# Altium PCB PCB.pcbdoc (part 3 of 6)
Units mil, origin at the board's own origin, x right, y up, seen from the top; angles counter-clockwise.
Board outline 12030 x 6651.89 mil, 2 copper layers (Top Layer, Bottom Layer); 4 components, 257 nets, 480 pads, 2 vias.
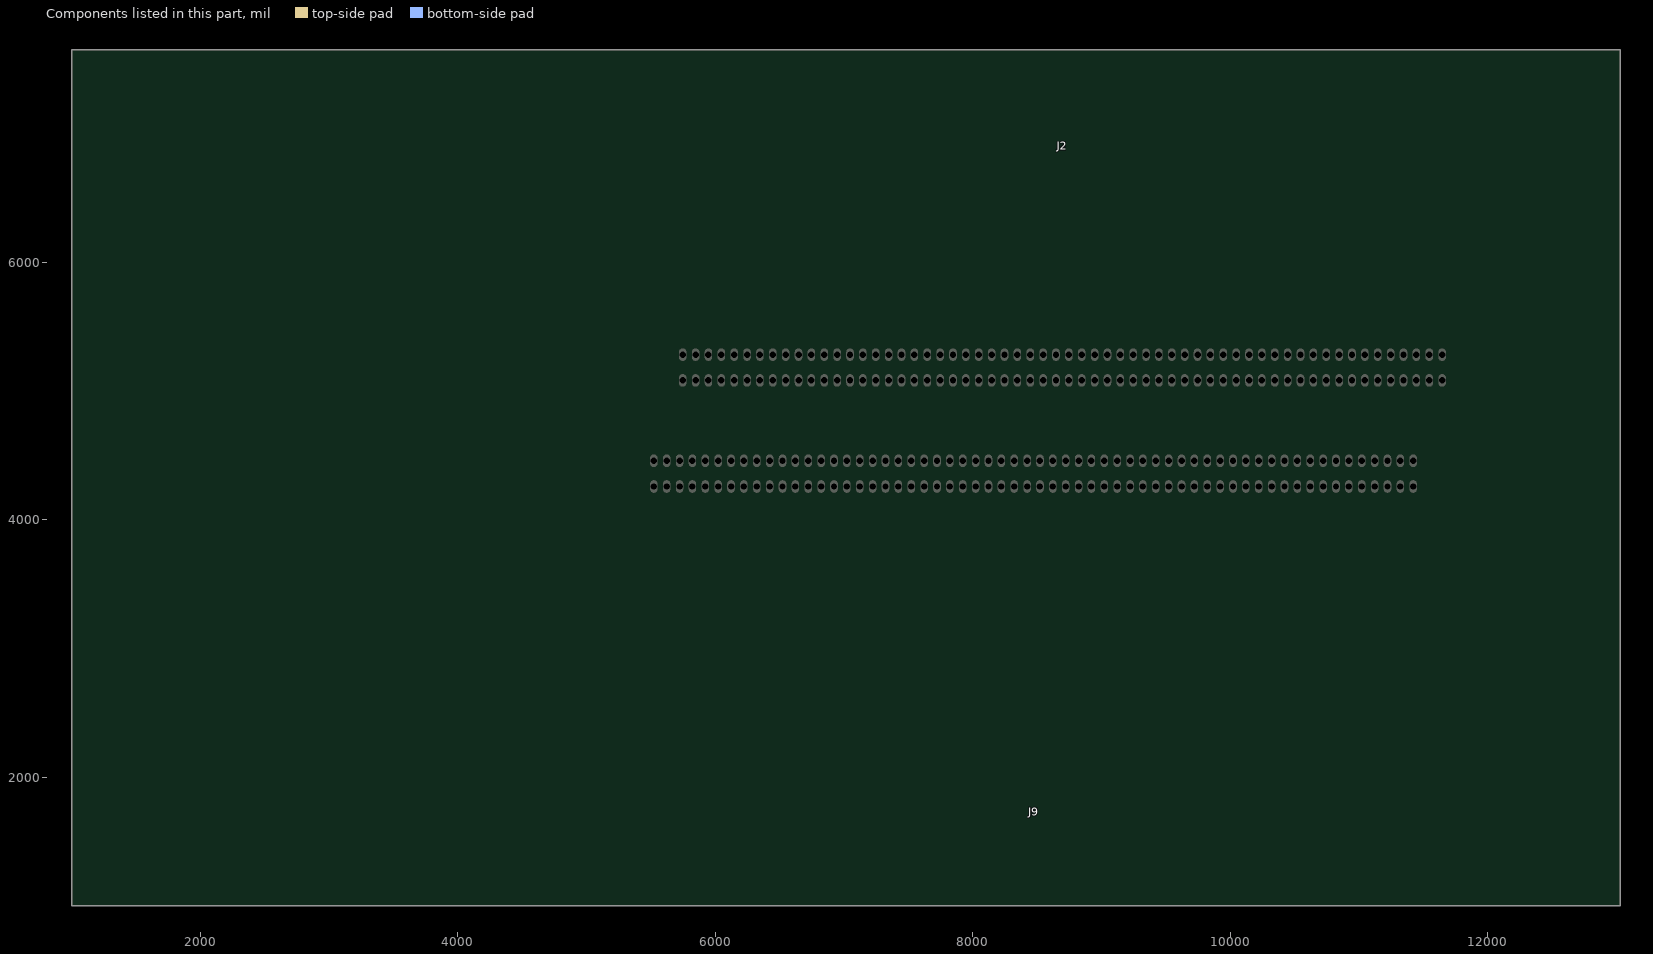
[diagram p3: the components of this part, seen from the top]

## Footprints (in the part's own frame and the unit in brackets; to place one, negate y for a bottom-side part, rotate by r counter-clockwise, add the part's x,y. Pads: shape width x height; smd on the part's side, far side on the other; paste and mask are expansions set on the pad) (continued)
I/O_EDGE_CONNECTOR [mil] (continued)
  Top Layer region: -1648.4,213.21 -1650.04,213.25 -1650.04,213.25 -1651.67,213.21 -1651.67,213.21 -1653.31,213.09 -1653.31,213.09 -1654.93,212.89 -1654.93,212.89 -1656.54,212.61 -1656.54,212.61 -1658.14,212.25 -1658.14,212.25 -1659.71,211.82 -1659.71,211.82 -1661.27,211.3 -1661.27,211.3 -1662.8,210.72 -1662.8,210.72 -1664.29,210.06 -1664.29,210.06 -1665.75,209.32 -1665.75,209.32 -1667.18,208.52 -1667.18,208.52 -1668.56,207.64 -1668.56,207.64 -1669.9,206.7 -1669.9,206.7 -1671.19,205.7 -1671.19,205.7 -1672.43,204.63 -1672.43,204.63 -1673.62,203.51 -1673.62,203.51 -1674.75,202.32 -1674.75,202.32 -1675.82,201.09 -1675.82,201.09 -1676.83,199.8 -1676.83,199.8 -1677.78,198.47 -1677.78,198.47 -1678.66,197.09 -1678.66,197.09 -1679.47,195.67 -1679.47,195.67 -1680.21,194.21 -1680.21,194.21 -1680.88,192.71 -1680.88,192.71 -1681.47,191.19 -1681.47,191.19 -1681.99,189.64 -1681.99,189.64 -1682.43,188.06 -1682.43,188.06 -1682.8,186.47 -1682.8,186.47 -1683.09,184.86 -1683.09,184.86 -1683.3,183.23 -1683.3,183.23 -1683.42,181.6 -1683.42,181.6 -1683.47,180 -1683.47,180 -1683.5,180 -1683.5,180 -1683.5,-213.7 -1683.5,-213.7 -1616.57,-213.7 -1616.57,-213.7 -1616.57,180 -1616.57,180 -1616.62,181.63 -1616.62,181.63 -1616.75,183.27 -1616.75,183.27 -1616.96,184.89 -1616.96,184.89 -1617.25,186.5 -1617.25,186.5 -1617.61,188.09 -1617.61,188.09 -1618.06,189.67 -1618.06,189.67 -1618.58,191.22 -1618.58,191.22 -1619.17,192.74 -1619.17,192.74 -1619.84,194.24 -1619.84,194.24 -1620.59,195.69 -1620.59,195.69 -1621.4,197.11 -1621.4,197.11 -1622.28,198.49 -1622.28,198.49 -1623.23,199.83 -1623.23,199.83 -1624.24,201.11 -1624.24,201.11 -1625.31,202.35 -1625.31,202.35 -1626.44,203.53 -1626.44,203.53 -1627.63,204.65 -1627.63,204.65 -1628.87,205.72 -1628.87,205.72 -1630.17,206.72 -1630.17,206.72 -1631.51,207.66 -1631.51,207.66 -1632.89,208.53 -1632.89,208.53 -1634.32,209.34 -1634.32,209.34 -1635.78,210.07 -1635.78,210.07 -1637.28,210.73 -1637.28,210.73 -1638.8,211.32 -1638.8,211.32 -1640.36,211.82 -1640.36,211.82 -1641.94,212.26 -1641.94,212.26 -1643.53,212.62 -1643.53,212.62 -1645.15,212.9 -1645.15,212.9 -1646.77,213.09 -1646.77,213.09
  Top Layer region: -1748.4,213.21 -1750.03,213.25 -1750.03,213.25 -1751.67,213.21 -1751.67,213.21 -1753.3,213.09 -1753.3,213.09 -1754.92,212.89 -1754.92,212.89 -1756.54,212.61 -1756.54,212.61 -1758.13,212.25 -1758.13,212.25 -1759.71,211.82 -1759.71,211.82 -1761.26,211.3 -1761.26,211.3 -1762.79,210.72 -1762.79,210.72 -1764.29,210.06 -1764.29,210.06 -1765.75,209.32 -1765.75,209.32 -1767.17,208.52 -1767.17,208.52 -1768.56,207.64 -1768.56,207.64 -1769.9,206.7 -1769.9,206.7 -1771.19,205.7 -1771.19,205.7 -1772.43,204.63 -1772.43,204.63 -1773.62,203.51 -1773.62,203.51 -1774.75,202.32 -1774.75,202.32 -1775.82,201.09 -1775.82,201.09 -1776.83,199.8 -1776.83,199.8 -1777.78,198.47 -1777.78,198.47 -1778.66,197.09 -1778.66,197.09 -1779.47,195.67 -1779.47,195.67 -1780.21,194.21 -1780.21,194.21 -1780.88,192.71 -1780.88,192.71 -1781.47,191.19 -1781.47,191.19 -1781.99,189.64 -1781.99,189.64 -1782.43,188.06 -1782.43,188.06 -1782.8,186.47 -1782.8,186.47 -1783.08,184.86 -1783.08,184.86 -1783.29,183.23 -1783.29,183.23 -1783.42,181.6 -1783.42,181.6 -1783.47,180 -1783.47,180 -1783.5,180 -1783.5,180 -1783.5,-213.7 -1783.5,-213.7 -1716.57,-213.7 -1716.57,-213.7 -1716.57,180 -1716.57,180 -1716.62,181.63 -1716.62,181.63 -1716.75,183.27 -1716.75,183.27 -1716.96,184.89 -1716.96,184.89 -1717.24,186.5 -1717.24,186.5 -1717.61,188.09 -1717.61,188.09 -1718.06,189.67 -1718.06,189.67 -1718.58,191.22 -1718.58,191.22 -1719.17,192.74 -1719.17,192.74 -1719.84,194.24 -1719.84,194.24 -1720.58,195.69 -1720.58,195.69 -1721.4,197.11 -1721.4,197.11 -1722.28,198.49 -1722.28,198.49 -1723.22,199.83 -1723.22,199.83 -1724.24,201.11 -1724.24,201.11 -1725.31,202.35 -1725.31,202.35 -1726.44,203.53 -1726.44,203.53 -1727.63,204.65 -1727.63,204.65 -1728.87,205.72 -1728.87,205.72 -1730.16,206.72 -1730.16,206.72 -1731.5,207.66 -1731.5,207.66 -1732.89,208.53 -1732.89,208.53 -1734.31,209.34 -1734.31,209.34 -1735.78,210.07 -1735.78,210.07 -1737.28,210.73 -1737.28,210.73 -1738.8,211.32 -1738.8,211.32 -1740.36,211.83 -1740.36,211.83 -1741.93,212.26 -1741.93,212.26 -1743.53,212.62 -1743.53,212.62 -1745.14,212.9 -1745.14,212.9 -1746.77,213.09 -1746.77,213.09
  Top Layer region: -1848.4,213.21 -1850.03,213.25 -1850.03,213.25 -1851.67,213.21 -1851.67,213.21 -1853.31,213.09 -1853.31,213.09 -1854.93,212.89 -1854.93,212.89 -1856.54,212.61 -1856.54,212.61 -1858.14,212.25 -1858.14,212.25 -1859.72,211.82 -1859.72,211.82 -1861.27,211.3 -1861.27,211.3 -1862.8,210.72 -1862.8,210.72 -1864.29,210.06 -1864.29,210.06 -1865.75,209.32 -1865.75,209.32 -1867.18,208.52 -1867.18,208.52 -1868.56,207.64 -1868.56,207.64 -1869.9,206.7 -1869.9,206.7 -1871.19,205.7 -1871.19,205.7 -1872.43,204.63 -1872.43,204.63 -1873.62,203.51 -1873.62,203.51 -1874.75,202.32 -1874.75,202.32 -1875.82,201.09 -1875.82,201.09 -1876.83,199.8 -1876.83,199.8 -1877.78,198.47 -1877.78,198.47 -1878.66,197.09 -1878.66,197.09 -1879.47,195.67 -1879.47,195.67 -1880.21,194.21 -1880.21,194.21 -1880.88,192.71 -1880.88,192.71 -1881.48,191.19 -1881.48,191.19 -1881.99,189.64 -1881.99,189.64 -1882.43,188.06 -1882.43,188.06 -1882.8,186.47 -1882.8,186.47 -1883.09,184.86 -1883.09,184.86 -1883.3,183.23 -1883.3,183.23 -1883.42,181.6 -1883.42,181.6 -1883.47,180 -1883.47,180 -1883.5,180 -1883.5,180 -1883.5,-213.7 -1883.5,-213.7 -1816.57,-213.7 -1816.57,-213.7 -1816.57,180 -1816.57,180 -1816.62,181.63 -1816.62,181.63 -1816.75,183.27 -1816.75,183.27 -1816.96,184.89 -1816.96,184.89 -1817.24,186.5 -1817.24,186.5 -1817.61,188.09 -1817.61,188.09 -1818.06,189.67 -1818.06,189.67 -1818.58,191.22 -1818.58,191.22 -1819.17,192.74 -1819.17,192.74 -1819.84,194.24 -1819.84,194.24 -1820.59,195.69 -1820.59,195.69 -1821.4,197.11 -1821.4,197.11 -1822.28,198.49 -1822.28,198.49 -1823.23,199.83 -1823.23,199.83 -1824.24,201.11 -1824.24,201.11 -1825.31,202.35 -1825.31,202.35 -1826.44,203.53 -1826.44,203.53 -1827.63,204.65 -1827.63,204.65 -1828.87,205.72 -1828.87,205.72 -1830.17,206.72 -1830.17,206.72 -1831.51,207.66 -1831.51,207.66 -1832.89,208.53 -1832.89,208.53 -1834.32,209.34 -1834.32,209.34 -1835.78,210.07 -1835.78,210.07 -1837.28,210.73 -1837.28,210.73 -1838.8,211.32 -1838.8,211.32 -1840.36,211.83 -1840.36,211.83 -1841.94,212.26 -1841.94,212.26 -1843.53,212.62 -1843.53,212.62 -1845.14,212.9 -1845.14,212.9 -1846.77,213.09 -1846.77,213.09
  Top Layer region: -1948.42,213.21 -1950.06,213.25 -1950.06,213.25 -1951.69,213.21 -1951.69,213.21 -1953.33,213.09 -1953.33,213.09 -1954.95,212.89 -1954.95,212.89 -1956.56,212.61 -1956.56,212.61 -1958.16,212.25 -1958.16,212.25 -1959.74,211.82 -1959.74,211.82 -1961.29,211.3 -1961.29,211.3 -1962.82,210.72 -1962.82,210.72 -1964.31,210.06 -1964.31,210.06 -1965.78,209.32 -1965.78,209.32 -1967.2,208.52 -1967.2,208.52 -1968.58,207.64 -1968.58,207.64 -1969.92,206.7 -1969.92,206.7 -1971.21,205.7 -1971.21,205.7 -1972.45,204.63 -1972.45,204.63 -1973.64,203.51 -1973.64,203.51 -1974.77,202.32 -1974.77,202.32 -1975.84,201.09 -1975.84,201.09 -1976.86,199.8 -1976.86,199.8 -1977.8,198.46 -1977.8,198.46 -1978.68,197.09 -1978.68,197.09 -1979.49,195.66 -1979.49,195.66 -1980.24,194.21 -1980.24,194.21 -1980.9,192.71 -1980.9,192.71 -1981.49,191.19 -1981.49,191.19 -1982.01,189.64 -1982.01,189.64 -1982.45,188.06 -1982.45,188.06 -1982.82,186.47 -1982.82,186.47 -1983.11,184.86 -1983.11,184.86 -1983.32,183.23 -1983.32,183.23 -1983.45,181.6 -1983.45,181.6 -1983.49,180 -1983.49,180 -1983.52,180 -1983.52,180 -1983.52,-213.7 -1983.52,-213.7 -1916.59,-213.7 -1916.59,-213.7 -1916.59,180 -1916.59,180 -1916.64,181.63 -1916.64,181.63 -1916.77,183.27 -1916.77,183.27 -1916.98,184.89 -1916.98,184.89 -1917.27,186.5 -1917.27,186.5 -1917.64,188.09 -1917.64,188.09 -1918.08,189.67 -1918.08,189.67 -1918.6,191.22 -1918.6,191.22 -1919.2,192.74 -1919.2,192.74 -1919.86,194.23 -1919.86,194.23 -1920.61,195.69 -1920.61,195.69 -1921.42,197.11 -1921.42,197.11 -1922.3,198.49 -1922.3,198.49 -1923.25,199.82 -1923.25,199.82 -1924.26,201.11 -1924.26,201.11 -1925.33,202.35 -1925.33,202.35 -1926.47,203.53 -1926.47,203.53 -1927.65,204.65 -1927.65,204.65 -1928.89,205.72 -1928.89,205.72 -1930.19,206.72 -1930.19,206.72 -1931.53,207.66 -1931.53,207.66 -1932.91,208.53 -1932.91,208.53 -1934.34,209.33 -1934.34,209.33 -1935.8,210.07 -1935.8,210.07 -1937.3,210.73 -1937.3,210.73 -1938.83,211.31 -1938.83,211.31 -1940.38,211.82 -1940.38,211.82 -1941.96,212.26 -1941.96,212.26 -1943.56,212.62 -1943.56,212.62 -1945.17,212.89 -1945.17,212.89 -1946.79,213.09 -1946.79,213.09
  Top Layer region: -2948.43,213.22 -2950.07,213.26 -2950.07,213.26 -2951.7,213.22 -2951.7,213.22 -2953.33,213.1 -2953.33,213.1 -2954.96,212.9 -2954.96,212.9 -2956.57,212.62 -2956.57,212.62 -2958.17,212.26 -2958.17,212.26 -2959.75,211.82 -2959.75,211.82 -2961.3,211.31 -2961.3,211.31 -2962.83,210.72 -2962.83,210.72 -2964.32,210.06 -2964.32,210.06 -2965.79,209.33 -2965.79,209.33 -2967.21,208.53 -2967.21,208.53 -2968.59,207.65 -2968.59,207.65 -2969.93,206.71 -2969.93,206.71 -2971.22,205.71 -2971.22,205.71 -2972.47,204.64 -2972.47,204.64 -2973.65,203.51 -2973.65,203.51 -2974.78,202.33 -2974.78,202.33 -2975.85,201.1 -2975.85,201.1 -2976.87,199.81 -2976.87,199.81 -2977.81,198.47 -2977.81,198.47 -2978.69,197.1 -2978.69,197.1 -2979.5,195.67 -2979.5,195.67 -2980.25,194.22 -2980.25,194.22 -2980.91,192.72 -2980.91,192.72 -2981.5,191.2 -2981.5,191.2 -2982.02,189.64 -2982.02,189.64 -2982.47,188.07 -2982.47,188.07 -2982.83,186.47 -2982.83,186.47 -2983.12,184.87 -2983.12,184.87 -2983.33,183.24 -2983.33,183.24 -2983.46,181.61 -2983.46,181.61 -2983.5,180 -2983.5,180 -2983.53,180 -2983.53,180 -2983.53,-213.69 -2983.53,-213.69 -2916.6,-213.69 -2916.6,-213.69 -2916.6,180 -2916.6,180 -2916.65,181.64 -2916.65,181.64 -2916.78,183.27 -2916.78,183.27 -2916.99,184.9 -2916.99,184.9 -2917.28,186.51 -2917.28,186.51 -2917.65,188.1 -2917.65,188.1 -2918.09,189.68 -2918.09,189.68 -2918.61,191.23 -2918.61,191.23 -2919.21,192.75 -2919.21,192.75 -2919.87,194.24 -2919.87,194.24 -2920.62,195.7 -2920.62,195.7 -2921.43,197.12 -2921.43,197.12 -2922.31,198.5 -2922.31,198.5 -2923.26,199.83 -2923.26,199.83 -2924.27,201.12 -2924.27,201.12 -2925.34,202.36 -2925.34,202.36 -2926.48,203.54 -2926.48,203.54 -2927.66,204.66 -2927.66,204.66 -2928.9,205.73 -2928.9,205.73 -2930.2,206.73 -2930.2,206.73 -2931.54,207.67 -2931.54,207.67 -2932.92,208.54 -2932.92,208.54 -2934.35,209.34 -2934.35,209.34 -2935.81,210.08 -2935.81,210.08 -2937.31,210.74 -2937.31,210.74 -2938.84,211.32 -2938.84,211.32 -2940.39,211.83 -2940.39,211.83 -2941.97,212.27 -2941.97,212.27 -2943.57,212.62 -2943.57,212.62 -2945.18,212.9 -2945.18,212.9 -2946.8,213.1 -2946.8,213.1
  Top Layer region: -2848.41,213.22 -2850.05,213.26 -2850.05,213.26 -2851.68,213.22 -2851.68,213.22 -2853.32,213.1 -2853.32,213.1 -2854.94,212.9 -2854.94,212.9 -2856.55,212.62 -2856.55,212.62 -2858.15,212.26 -2858.15,212.26 -2859.73,211.83 -2859.73,211.83 -2861.28,211.31 -2861.28,211.31 -2862.81,210.73 -2862.81,210.73 -2864.3,210.06 -2864.3,210.06 -2865.76,209.33 -2865.76,209.33 -2867.19,208.53 -2867.19,208.53 -2868.57,207.65 -2868.57,207.65 -2869.91,206.71 -2869.91,206.71 -2871.2,205.71 -2871.2,205.71 -2872.44,204.64 -2872.44,204.64 -2873.63,203.52 -2873.63,203.52 -2874.76,202.33 -2874.76,202.33 -2875.83,201.1 -2875.83,201.1 -2876.84,199.81 -2876.84,199.81 -2877.79,198.47 -2877.79,198.47 -2878.67,197.1 -2878.67,197.1 -2879.48,195.67 -2879.48,195.67 -2880.22,194.22 -2880.22,194.22 -2880.89,192.72 -2880.89,192.72 -2881.49,191.2 -2881.49,191.2 -2882,189.65 -2882,189.65 -2882.44,188.07 -2882.44,188.07 -2882.81,186.48 -2882.81,186.48 -2883.1,184.87 -2883.1,184.87 -2883.31,183.24 -2883.31,183.24 -2883.43,181.61 -2883.43,181.61 -2883.48,180.01 -2883.48,180.01 -2883.51,180.01 -2883.51,180.01 -2883.51,-213.69 -2883.51,-213.69 -2816.58,-213.69 -2816.58,-213.69 -2816.58,180.01 -2816.58,180.01 -2816.63,181.64 -2816.63,181.64 -2816.76,183.27 -2816.76,183.27 -2816.97,184.9 -2816.97,184.9 -2817.25,186.51 -2817.25,186.51 -2817.62,188.1 -2817.62,188.1 -2818.07,189.68 -2818.07,189.68 -2818.59,191.23 -2818.59,191.23 -2819.18,192.75 -2819.18,192.75 -2819.85,194.24 -2819.85,194.24 -2820.6,195.7 -2820.6,195.7 -2821.41,197.12 -2821.41,197.12 -2822.29,198.5 -2822.29,198.5 -2823.24,199.83 -2823.24,199.83 -2824.25,201.12 -2824.25,201.12 -2825.32,202.36 -2825.32,202.36 -2826.45,203.54 -2826.45,203.54 -2827.64,204.66 -2827.64,204.66 -2828.88,205.73 -2828.88,205.73 -2830.18,206.73 -2830.18,206.73 -2831.52,207.67 -2831.52,207.67 -2832.9,208.54 -2832.9,208.54 -2834.33,209.34 -2834.33,209.34 -2835.79,210.08 -2835.79,210.08 -2837.29,210.74 -2837.29,210.74 -2838.81,211.32 -2838.81,211.32 -2840.37,211.83 -2840.37,211.83 -2841.95,212.27 -2841.95,212.27 -2843.54,212.62 -2843.54,212.62 -2845.15,212.9 -2845.15,212.9 -2846.78,213.1 -2846.78,213.1
  Top Layer region: -2748.41,213.22 -2750.04,213.26 -2750.04,213.26 -2751.68,213.22 -2751.68,213.22 -2753.31,213.1 -2753.31,213.1 -2754.93,212.9 -2754.93,212.9 -2756.55,212.62 -2756.55,212.62 -2758.14,212.26 -2758.14,212.26 -2759.72,211.83 -2759.72,211.83 -2761.27,211.31 -2761.27,211.31 -2762.8,210.73 -2762.8,210.73 -2764.3,210.06 -2764.3,210.06 -2765.76,209.33 -2765.76,209.33 -2767.18,208.53 -2767.18,208.53 -2768.57,207.65 -2768.57,207.65 -2769.91,206.71 -2769.91,206.71 -2771.2,205.71 -2771.2,205.71 -2772.44,204.64 -2772.44,204.64 -2773.63,203.52 -2773.63,203.52 -2774.76,202.33 -2774.76,202.33 -2775.83,201.1 -2775.83,201.1 -2776.84,199.81 -2776.84,199.81 -2777.79,198.47 -2777.79,198.47 -2778.67,197.1 -2778.67,197.1 -2779.48,195.67 -2779.48,195.67 -2780.22,194.22 -2780.22,194.22 -2780.89,192.72 -2780.89,192.72 -2781.48,191.2 -2781.48,191.2 -2782,189.65 -2782,189.65 -2782.44,188.07 -2782.44,188.07 -2782.81,186.48 -2782.81,186.48 -2783.09,184.87 -2783.09,184.87 -2783.3,183.24 -2783.3,183.24 -2783.43,181.61 -2783.43,181.61 -2783.48,180.01 -2783.48,180.01 -2783.51,180.01 -2783.51,180.01 -2783.51,-213.69 -2783.51,-213.69 -2716.58,-213.69 -2716.58,-213.69 -2716.58,180.01 -2716.58,180.01 -2716.63,181.64 -2716.63,181.64 -2716.76,183.27 -2716.76,183.27 -2716.97,184.9 -2716.97,184.9 -2717.25,186.51 -2717.25,186.51 -2717.62,188.1 -2717.62,188.1 -2718.07,189.68 -2718.07,189.68 -2718.59,191.23 -2718.59,191.23 -2719.18,192.75 -2719.18,192.75 -2719.85,194.24 -2719.85,194.24 -2720.59,195.7 -2720.59,195.7 -2721.41,197.12 -2721.41,197.12 -2722.29,198.5 -2722.29,198.5 -2723.23,199.83 -2723.23,199.83 -2724.24,201.12 -2724.24,201.12 -2725.32,202.36 -2725.32,202.36 -2726.45,203.54 -2726.45,203.54 -2727.64,204.66 -2727.64,204.66 -2728.88,205.73 -2728.88,205.73 -2730.17,206.73 -2730.17,206.73 -2731.51,207.67 -2731.51,207.67 -2732.9,208.54 -2732.9,208.54 -2734.32,209.34 -2734.32,209.34 -2735.79,210.08 -2735.79,210.08 -2737.29,210.74 -2737.29,210.74 -2738.81,211.32 -2738.81,211.32 -2740.37,211.83 -2740.37,211.83 -2741.94,212.27 -2741.94,212.27 -2743.54,212.62 -2743.54,212.62 -2745.15,212.9 -2745.15,212.9 -2746.78,213.1 -2746.78,213.1
  Top Layer region: -2648.41,213.22 -2650.05,213.26 -2650.05,213.26 -2651.68,213.22 -2651.68,213.22 -2653.32,213.1 -2653.32,213.1 -2654.94,212.9 -2654.94,212.9 -2656.55,212.62 -2656.55,212.62 -2658.15,212.26 -2658.15,212.26 -2659.72,211.83 -2659.72,211.83 -2661.28,211.31 -2661.28,211.31 -2662.81,210.73 -2662.81,210.73 -2664.3,210.06 -2664.3,210.06 -2665.76,209.33 -2665.76,209.33 -2667.19,208.53 -2667.19,208.53 -2668.57,207.65 -2668.57,207.65 -2669.91,206.71 -2669.91,206.71 -2671.2,205.71 -2671.2,205.71 -2672.44,204.64 -2672.44,204.64 -2673.63,203.52 -2673.63,203.52 -2674.76,202.33 -2674.76,202.33 -2675.83,201.1 -2675.83,201.1 -2676.84,199.81 -2676.84,199.81 -2677.79,198.47 -2677.79,198.47 -2678.67,197.1 -2678.67,197.1 -2679.48,195.67 -2679.48,195.67 -2680.22,194.22 -2680.22,194.22 -2680.89,192.72 -2680.89,192.72 -2681.48,191.2 -2681.48,191.2 -2682,189.65 -2682,189.65 -2682.44,188.07 -2682.44,188.07 -2682.81,186.48 -2682.81,186.48 -2683.1,184.87 -2683.1,184.87 -2683.31,183.24 -2683.31,183.24 -2683.43,181.61 -2683.43,181.61 -2683.48,180.01 -2683.48,180.01 -2683.51,180.01 -2683.51,180.01 -2683.51,-213.69 -2683.51,-213.69 -2616.58,-213.69 -2616.58,-213.69 -2616.58,180.01 -2616.58,180.01 -2616.63,181.64 -2616.63,181.64 -2616.76,183.27 -2616.76,183.27 -2616.97,184.9 -2616.97,184.9 -2617.26,186.51 -2617.26,186.51 -2617.62,188.1 -2617.62,188.1 -2618.07,189.68 -2618.07,189.68 -2618.59,191.23 -2618.59,191.23 -2619.18,192.75 -2619.18,192.75 -2619.85,194.24 -2619.85,194.24 -2620.6,195.7 -2620.6,195.7 -2621.41,197.12 -2621.41,197.12 -2622.29,198.5 -2622.29,198.5 -2623.24,199.83 -2623.24,199.83 -2624.25,201.12 -2624.25,201.12 -2625.32,202.36 -2625.32,202.36 -2626.45,203.54 -2626.45,203.54 -2627.64,204.66 -2627.64,204.66 -2628.88,205.73 -2628.88,205.73 -2630.18,206.73 -2630.18,206.73 -2631.52,207.67 -2631.52,207.67 -2632.9,208.54 -2632.9,208.54 -2634.33,209.34 -2634.33,209.34 -2635.79,210.08 -2635.79,210.08 -2637.29,210.74 -2637.29,210.74 -2638.81,211.32 -2638.81,211.32 -2640.37,211.83 -2640.37,211.83 -2641.95,212.27 -2641.95,212.27 -2643.54,212.62 -2643.54,212.62 -2645.16,212.9 -2645.16,212.9 -2646.78,213.1 -2646.78,213.1
  Top Layer region: -2548.41,213.22 -2550.05,213.26 -2550.05,213.26 -2551.69,213.22 -2551.69,213.22 -2553.32,213.1 -2553.32,213.1 -2554.94,212.9 -2554.94,212.9 -2556.55,212.62 -2556.55,212.62 -2558.15,212.26 -2558.15,212.26 -2559.73,211.83 -2559.73,211.83 -2561.28,211.31 -2561.28,211.31 -2562.81,210.73 -2562.81,210.73 -2564.31,210.06 -2564.31,210.06 -2565.77,209.33 -2565.77,209.33 -2567.19,208.53 -2567.19,208.53 -2568.58,207.65 -2568.58,207.65 -2569.91,206.71 -2569.91,206.71 -2571.21,205.71 -2571.21,205.71 -2572.45,204.64 -2572.45,204.64 -2573.64,203.52 -2573.64,203.52 -2574.77,202.33 -2574.77,202.33 -2575.84,201.1 -2575.84,201.1 -2576.85,199.81 -2576.85,199.81 -2577.79,198.47 -2577.79,198.47 -2578.67,197.1 -2578.67,197.1 -2579.48,195.67 -2579.48,195.67 -2580.22,194.22 -2580.22,194.22 -2580.89,192.72 -2580.89,192.72 -2581.49,191.2 -2581.49,191.2 -2582.01,189.65 -2582.01,189.65 -2582.45,188.07 -2582.45,188.07 -2582.81,186.48 -2582.81,186.48 -2583.1,184.87 -2583.1,184.87 -2583.31,183.24 -2583.31,183.24 -2583.44,181.61 -2583.44,181.61 -2583.48,180.01 -2583.48,180.01 -2583.51,180.01 -2583.51,180.01 -2583.51,-213.69 -2583.51,-213.69 -2516.58,-213.69 -2516.58,-213.69 -2516.58,180.01 -2516.58,180.01 -2516.63,181.64 -2516.63,181.64 -2516.76,183.27 -2516.76,183.27 -2516.97,184.9 -2516.97,184.9 -2517.26,186.51 -2517.26,186.51 -2517.63,188.1 -2517.63,188.1 -2518.07,189.68 -2518.07,189.68 -2518.59,191.23 -2518.59,191.23 -2519.19,192.75 -2519.19,192.75 -2519.86,194.24 -2519.86,194.24 -2520.6,195.7 -2520.6,195.7 -2521.41,197.12 -2521.41,197.12 -2522.29,198.5 -2522.29,198.5 -2523.24,199.83 -2523.24,199.83 -2524.25,201.12 -2524.25,201.12 -2525.33,202.36 -2525.33,202.36 -2526.46,203.54 -2526.46,203.54 -2527.65,204.66 -2527.65,204.66 -2528.89,205.73 -2528.89,205.73 -2530.18,206.73 -2530.18,206.73 -2531.52,207.67 -2531.52,207.67 -2532.91,208.54 -2532.91,208.54 -2534.33,209.34 -2534.33,209.34 -2535.79,210.08 -2535.79,210.08 -2537.29,210.74 -2537.29,210.74 -2538.82,211.32 -2538.82,211.32 -2540.37,211.83 -2540.37,211.83 -2541.95,212.27 -2541.95,212.27 -2543.55,212.62 -2543.55,212.62 -2545.16,212.9 -2545.16,212.9 -2546.78,213.1 -2546.78,213.1
  Top Layer region: -2448.44,212.9 -2450.08,212.95 -2450.08,212.95 -2451.71,212.9 -2451.71,212.9 -2453.34,212.78 -2453.34,212.78 -2454.97,212.58 -2454.97,212.58 -2456.58,212.3 -2456.58,212.3 -2458.18,211.94 -2458.18,211.94 -2459.76,211.51 -2459.76,211.51 -2461.31,211 -2461.31,211 -2462.84,210.41 -2462.84,210.41 -2464.33,209.75 -2464.33,209.75 -2465.8,209.02 -2465.8,209.02 -2467.22,208.21 -2467.22,208.21 -2468.6,207.34 -2468.6,207.34 -2469.94,206.4 -2469.94,206.4 -2471.23,205.39 -2471.23,205.39 -2472.47,204.33 -2472.47,204.33 -2473.66,203.2 -2473.66,203.2 -2474.79,202.02 -2474.79,202.02 -2475.86,200.78 -2475.86,200.78 -2476.88,199.5 -2476.88,199.5 -2477.82,198.16 -2477.82,198.16 -2478.7,196.78 -2478.7,196.78 -2479.51,195.36 -2479.51,195.36 -2480.25,193.9 -2480.25,193.9 -2480.92,192.41 -2480.92,192.41 -2481.51,190.88 -2481.51,190.88 -2482.04,189.33 -2482.04,189.33 -2482.48,187.76 -2482.48,187.76 -2482.84,186.16 -2482.84,186.16 -2483.13,184.55 -2483.13,184.55 -2483.34,182.93 -2483.34,182.93 -2483.47,181.3 -2483.47,181.3 -2483.51,179.69 -2483.51,179.69 -2483.54,179.69 -2483.54,179.69 -2483.54,-214.01 -2483.54,-214.01 -2416.61,-214.01 -2416.61,-214.01 -2416.61,179.69 -2416.61,179.69 -2416.66,181.33 -2416.66,181.33 -2416.79,182.96 -2416.79,182.96 -2417,184.58 -2417,184.58 -2417.29,186.19 -2417.29,186.19 -2417.66,187.79 -2417.66,187.79 -2418.1,189.36 -2418.1,189.36 -2418.62,190.91 -2418.62,190.91 -2419.22,192.44 -2419.22,192.44 -2419.89,193.93 -2419.89,193.93 -2420.63,195.38 -2420.63,195.38 -2421.44,196.81 -2421.44,196.81 -2422.32,198.18 -2422.32,198.18 -2423.27,199.52 -2423.27,199.52 -2424.28,200.81 -2424.28,200.81 -2425.35,202.04 -2425.35,202.04 -2426.49,203.22 -2426.49,203.22 -2427.67,204.35 -2427.67,204.35 -2428.91,205.41 -2428.91,205.41 -2430.21,206.42 -2430.21,206.42 -2431.55,207.36 -2431.55,207.36 -2432.93,208.23 -2432.93,208.23 -2434.36,209.03 -2434.36,209.03 -2435.82,209.76 -2435.82,209.76 -2437.32,210.42 -2437.32,210.42 -2438.85,211.01 -2438.85,211.01 -2440.4,211.52 -2440.4,211.52 -2441.98,211.95 -2441.98,211.95 -2443.58,212.31 -2443.58,212.31 -2445.19,212.59 -2445.19,212.59 -2446.81,212.79 -2446.81,212.79
  Top Layer region: -2348.44,212.9 -2350.08,212.95 -2350.08,212.95 -2351.71,212.9 -2351.71,212.9 -2353.34,212.78 -2353.34,212.78 -2354.97,212.58 -2354.97,212.58 -2356.58,212.31 -2356.58,212.31 -2358.18,211.94 -2358.18,211.94 -2359.75,211.51 -2359.75,211.51 -2361.31,211 -2361.31,211 -2362.83,210.41 -2362.83,210.41 -2364.33,209.75 -2364.33,209.75 -2365.79,209.02 -2365.79,209.02 -2367.22,208.21 -2367.22,208.21 -2368.6,207.34 -2368.6,207.34 -2369.94,206.4 -2369.94,206.4 -2371.23,205.39 -2371.23,205.39 -2372.47,204.33 -2372.47,204.33 -2373.66,203.2 -2373.66,203.2 -2374.79,202.02 -2374.79,202.02 -2375.86,200.78 -2375.86,200.78 -2376.87,199.5 -2376.87,199.5 -2377.82,198.16 -2377.82,198.16 -2378.7,196.78 -2378.7,196.78 -2379.51,195.36 -2379.51,195.36 -2380.25,193.9 -2380.25,193.9 -2380.92,192.41 -2380.92,192.41 -2381.51,190.88 -2381.51,190.88 -2382.03,189.33 -2382.03,189.33 -2382.48,187.76 -2382.48,187.76 -2382.84,186.16 -2382.84,186.16 -2383.13,184.55 -2383.13,184.55 -2383.34,182.93 -2383.34,182.93 -2383.46,181.3 -2383.46,181.3 -2383.51,179.69 -2383.51,179.69 -2383.54,179.69 -2383.54,179.69 -2383.54,-214.01 -2383.54,-214.01 -2316.61,-214.01 -2316.61,-214.01 -2316.61,179.69 -2316.61,179.69 -2316.66,181.33 -2316.66,181.33 -2316.79,182.96 -2316.79,182.96 -2317,184.58 -2317,184.58 -2317.29,186.19 -2317.29,186.19 -2317.66,187.79 -2317.66,187.79 -2318.1,189.36 -2318.1,189.36 -2318.62,190.91 -2318.62,190.91 -2319.22,192.44 -2319.22,192.44 -2319.89,193.93 -2319.89,193.93 -2320.63,195.38 -2320.63,195.38 -2321.44,196.81 -2321.44,196.81 -2322.32,198.18 -2322.32,198.18 -2323.27,199.52 -2323.27,199.52 -2324.28,200.81 -2324.28,200.81 -2325.35,202.04 -2325.35,202.04 -2326.48,203.22 -2326.48,203.22 -2327.67,204.35 -2327.67,204.35 -2328.91,205.41 -2328.91,205.41 -2330.21,206.42 -2330.21,206.42 -2331.55,207.36 -2331.55,207.36 -2332.93,208.23 -2332.93,208.23 -2334.36,209.03 -2334.36,209.03 -2335.82,209.76 -2335.82,209.76 -2337.32,210.42 -2337.32,210.42 -2338.84,211.01 -2338.84,211.01 -2340.4,211.52 -2340.4,211.52 -2341.98,211.95 -2341.98,211.95 -2343.57,212.31 -2343.57,212.31 -2345.19,212.59 -2345.19,212.59 -2346.81,212.79 -2346.81,212.79
  Top Layer region: -2248.44,212.9 -2250.08,212.95 -2250.08,212.95 -2251.72,212.9 -2251.72,212.9 -2253.35,212.78 -2253.35,212.78 -2254.97,212.58 -2254.97,212.58 -2256.58,212.31 -2256.58,212.31 -2258.18,211.94 -2258.18,211.94 -2259.76,211.51 -2259.76,211.51 -2261.31,211 -2261.31,211 -2262.84,210.41 -2262.84,210.41 -2264.33,209.75 -2264.33,209.75 -2265.8,209.02 -2265.8,209.02 -2267.22,208.21 -2267.22,208.21 -2268.6,207.34 -2268.6,207.34 -2269.94,206.4 -2269.94,206.4 -2271.24,205.39 -2271.24,205.39 -2272.48,204.33 -2272.48,204.33 -2273.66,203.2 -2273.66,203.2 -2274.8,202.02 -2274.8,202.02 -2275.87,200.78 -2275.87,200.78 -2276.88,199.5 -2276.88,199.5 -2277.82,198.16 -2277.82,198.16 -2278.7,196.78 -2278.7,196.78 -2279.51,195.36 -2279.51,195.36 -2280.25,193.9 -2280.25,193.9 -2280.92,192.41 -2280.92,192.41 -2281.52,190.88 -2281.52,190.88 -2282.04,189.33 -2282.04,189.33 -2282.48,187.76 -2282.48,187.76 -2282.84,186.16 -2282.84,186.16 -2283.13,184.55 -2283.13,184.55 -2283.34,182.93 -2283.34,182.93 -2283.47,181.3 -2283.47,181.3 -2283.51,179.69 -2283.51,179.69 -2283.54,179.69 -2283.54,179.69 -2283.54,-214.01 -2283.54,-214.01 -2216.61,-214.01 -2216.61,-214.01 -2216.61,179.69 -2216.61,179.69 -2216.66,181.33 -2216.66,181.33 -2216.79,182.96 -2216.79,182.96 -2217,184.58 -2217,184.58 -2217.29,186.19 -2217.29,186.19 -2217.66,187.79 -2217.66,187.79 -2218.1,189.36 -2218.1,189.36 -2218.62,190.91 -2218.62,190.91 -2219.22,192.44 -2219.22,192.44 -2219.89,193.93 -2219.89,193.93 -2220.63,195.38 -2220.63,195.38 -2221.44,196.81 -2221.44,196.81 -2222.32,198.18 -2222.32,198.18 -2223.27,199.52 -2223.27,199.52 -2224.28,200.81 -2224.28,200.81 -2225.35,202.04 -2225.35,202.04 -2226.49,203.22 -2226.49,203.22 -2227.67,204.35 -2227.67,204.35 -2228.92,205.41 -2228.92,205.41 -2230.21,206.42 -2230.21,206.42 -2231.55,207.36 -2231.55,207.36 -2232.93,208.23 -2232.93,208.23 -2234.36,209.03 -2234.36,209.03 -2235.82,209.76 -2235.82,209.76 -2237.32,210.42 -2237.32,210.42 -2238.85,211.01 -2238.85,211.01 -2240.4,211.52 -2240.4,211.52 -2241.98,211.95 -2241.98,211.95 -2243.58,212.31 -2243.58,212.31 -2245.19,212.59 -2245.19,212.59 -2246.81,212.79 -2246.81,212.79
  Top Layer region: -2148.45,212.9 -2150.08,212.95 -2150.08,212.95 -2151.72,212.9 -2151.72,212.9 -2153.35,212.78 -2153.35,212.78 -2154.97,212.58 -2154.97,212.58 -2156.58,212.31 -2156.58,212.31 -2158.18,211.94 -2158.18,211.94 -2159.76,211.51 -2159.76,211.51 -2161.31,211 -2161.31,211 -2162.84,210.41 -2162.84,210.41 -2164.34,209.75 -2164.34,209.75 -2165.8,209.02 -2165.8,209.02 -2167.22,208.21 -2167.22,208.21 -2168.61,207.34 -2168.61,207.34 -2169.95,206.4 -2169.95,206.4 -2171.24,205.39 -2171.24,205.39 -2172.48,204.33 -2172.48,204.33 -2173.67,203.2 -2173.67,203.2 -2174.8,202.02 -2174.8,202.02 -2175.87,200.78 -2175.87,200.78 -2176.88,199.5 -2176.88,199.5 -2177.82,198.16 -2177.82,198.16 -2178.7,196.78 -2178.7,196.78 -2179.51,195.36 -2179.51,195.36 -2180.25,193.9 -2180.25,193.9 -2180.92,192.41 -2180.92,192.41 -2181.52,190.88 -2181.52,190.88 -2182.04,189.33 -2182.04,189.33 -2182.48,187.76 -2182.48,187.76 -2182.84,186.16 -2182.84,186.16 -2183.13,184.55 -2183.13,184.55 -2183.34,182.93 -2183.34,182.93 -2183.47,181.3 -2183.47,181.3 -2183.51,179.69 -2183.51,179.69 -2183.54,179.69 -2183.54,179.69 -2183.54,-214.01 -2183.54,-214.01 -2116.61,-214.01 -2116.61,-214.01 -2116.61,179.69 -2116.61,179.69 -2116.66,181.33 -2116.66,181.33 -2116.79,182.96 -2116.79,182.96 -2117,184.58 -2117,184.58 -2117.29,186.19 -2117.29,186.19 -2117.66,187.79 -2117.66,187.79 -2118.1,189.36 -2118.1,189.36 -2118.62,190.91 -2118.62,190.91 -2119.22,192.44 -2119.22,192.44 -2119.89,193.93 -2119.89,193.93 -2120.63,195.38 -2120.63,195.38 -2121.44,196.81 -2121.44,196.81 -2122.32,198.18 -2122.32,198.18 -2123.27,199.52 -2123.27,199.52 -2124.28,200.81 -2124.28,200.81 -2125.36,202.04 -2125.36,202.04 -2126.49,203.22 -2126.49,203.22 -2127.68,204.35 -2127.68,204.35 -2128.92,205.41 -2128.92,205.41 -2130.21,206.42 -2130.21,206.42 -2131.55,207.36 -2131.55,207.36 -2132.94,208.23 -2132.94,208.23 -2134.36,209.03 -2134.36,209.03 -2135.82,209.76 -2135.82,209.76 -2137.32,210.42 -2137.32,210.42 -2138.85,211.01 -2138.85,211.01 -2140.4,211.52 -2140.4,211.52 -2141.98,211.95 -2141.98,211.95 -2143.58,212.31 -2143.58,212.31 -2145.19,212.59 -2145.19,212.59 -2146.81,212.79 -2146.81,212.79
  Top Layer region: -2048.42,213.21 -2050.06,213.25 -2050.06,213.25 -2051.7,213.21 -2051.7,213.21 -2053.33,213.09 -2053.33,213.09 -2054.95,212.89 -2054.95,212.89 -2056.56,212.61 -2056.56,212.61 -2058.16,212.25 -2058.16,212.25 -2059.74,211.82 -2059.74,211.82 -2061.29,211.31 -2061.29,211.31 -2062.82,210.72 -2062.82,210.72 -2064.32,210.06 -2064.32,210.06 -2065.78,209.32 -2065.78,209.32 -2067.2,208.52 -2067.2,208.52 -2068.58,207.64 -2068.58,207.64 -2069.92,206.7 -2069.92,206.7 -2071.22,205.7 -2071.22,205.7 -2072.46,204.63 -2072.46,204.63 -2073.65,203.51 -2073.65,203.51 -2074.78,202.32 -2074.78,202.32 -2075.85,201.09 -2075.85,201.09 -2076.86,199.8 -2076.86,199.8 -2077.8,198.46 -2077.8,198.46 -2078.68,197.09 -2078.68,197.09 -2079.49,195.67 -2079.49,195.67 -2080.23,194.21 -2080.23,194.21 -2080.9,192.71 -2080.9,192.71 -2081.5,191.19 -2081.5,191.19 -2082.02,189.64 -2082.02,189.64 -2082.46,188.06 -2082.46,188.06 -2082.82,186.47 -2082.82,186.47 -2083.11,184.86 -2083.11,184.86 -2083.32,183.24 -2083.32,183.24 -2083.45,181.6 -2083.45,181.6 -2083.49,180 -2083.49,180 -2083.52,180 -2083.52,180 -2083.52,-213.7 -2083.52,-213.7 -2016.59,-213.7 -2016.59,-213.7 -2016.59,180 -2016.59,180 -2016.64,181.63 -2016.64,181.63 -2016.77,183.27 -2016.77,183.27 -2016.98,184.89 -2016.98,184.89 -2017.27,186.5 -2017.27,186.5 -2017.64,188.09 -2017.64,188.09 -2018.08,189.67 -2018.08,189.67 -2018.6,191.22 -2018.6,191.22 -2019.2,192.74 -2019.2,192.74 -2019.87,194.24 -2019.87,194.24 -2020.61,195.69 -2020.61,195.69 -2021.42,197.12 -2021.42,197.12 -2022.3,198.49 -2022.3,198.49 -2023.25,199.83 -2023.25,199.83 -2024.26,201.11 -2024.26,201.11 -2025.33,202.35 -2025.33,202.35 -2026.47,203.53 -2026.47,203.53 -2027.66,204.66 -2027.66,204.66 -2028.9,205.72 -2028.9,205.72 -2030.19,206.72 -2030.19,206.72 -2031.53,207.66 -2031.53,207.66 -2032.91,208.53 -2032.91,208.53 -2034.34,209.33 -2034.34,209.33 -2035.8,210.07 -2035.8,210.07 -2037.3,210.73 -2037.3,210.73 -2038.83,211.32 -2038.83,211.32 -2040.38,211.83 -2040.38,211.83 -2041.96,212.26 -2041.96,212.26 -2043.56,212.62 -2043.56,212.62 -2045.17,212.89 -2045.17,212.89 -2046.79,213.09 -2046.79,213.09
  Bottom Layer region: 2951.7,213.67 2950.07,213.7 2950.07,213.7 2948.43,213.66 2948.43,213.66 2946.8,213.54 2946.8,213.54 2945.18,213.34 2945.18,213.34 2943.56,213.06 2943.56,213.06 2941.97,212.71 2941.97,212.71 2940.39,212.27 2940.39,212.27 2938.84,211.76 2938.84,211.76 2937.31,211.17 2937.31,211.17 2935.81,210.51 2935.81,210.51 2934.35,209.78 2934.35,209.78 2932.92,208.97 2932.92,208.97 2931.54,208.1 2931.54,208.1 2930.2,207.16 2930.2,207.16 2928.91,206.15 2928.91,206.15 2927.67,205.09 2927.67,205.09 2926.48,203.96 2926.48,203.96 2925.35,202.78 2925.35,202.78 2924.28,201.54 2924.28,201.54 2923.27,200.26 2923.27,200.26 2922.32,198.92 2922.32,198.92 2921.44,197.54 2921.44,197.54 2920.63,196.12 2920.63,196.12 2919.89,194.66 2919.89,194.66 2919.22,193.17 2919.22,193.17 2918.63,191.64 2918.63,191.64 2918.11,190.09 2918.11,190.09 2917.67,188.52 2917.67,188.52 2917.3,186.92 2917.3,186.92 2917.02,185.31 2917.02,185.31 2916.81,183.69 2916.81,183.69 2916.68,182.05 2916.68,182.05 2916.63,180.45 2916.63,180.45 2916.6,180.45 2916.6,180.45 2916.6,-213.25 2916.6,-213.25 2983.53,-213.25 2983.53,-213.25 2983.53,180.45 2983.53,180.45 2983.48,182.09 2983.48,182.09 2983.35,183.72 2983.35,183.72 2983.14,185.34 2983.14,185.34 2982.86,186.95 2982.86,186.95 2982.49,188.55 2982.49,188.55 2982.05,190.12 2982.05,190.12 2981.52,191.67 2981.52,191.67 2980.93,193.2 2980.93,193.2 2980.26,194.69 2980.26,194.69 2979.52,196.15 2979.52,196.15 2978.7,197.57 2978.7,197.57 2977.82,198.95 2977.82,198.95 2976.88,200.28 2976.88,200.28 2975.86,201.57 2975.86,201.57 2974.79,202.8 2974.79,202.8 2973.66,203.98 2973.66,203.98 2972.47,205.11 2972.47,205.11 2971.23,206.17 2971.23,206.17 2969.94,207.18 2969.94,207.18 2968.6,208.11 2968.6,208.11 2967.21,208.99 2967.21,208.99 2965.79,209.79 2965.79,209.79 2964.32,210.52 2964.32,210.52 2962.83,211.18 2962.83,211.18 2961.3,211.77 2961.3,211.77 2959.74,212.28 2959.74,212.28 2958.17,212.71 2958.17,212.71 2956.57,213.07 2956.57,213.07 2954.96,213.35 2954.96,213.35 2953.33,213.55 2953.33,213.55
  Bottom Layer region: 2851.7,213.67 2850.07,213.71 2850.07,213.71 2848.43,213.67 2848.43,213.67 2846.8,213.55 2846.8,213.55 2845.18,213.35 2845.18,213.35 2843.56,213.06 2843.56,213.06 2841.97,212.71 2841.97,212.71 2840.39,212.27 2840.39,212.27 2838.84,211.76 2838.84,211.76 2837.31,211.17 2837.31,211.17 2835.81,210.51 2835.81,210.51 2834.35,209.78 2834.35,209.78 2832.92,208.97 2832.92,208.97 2831.54,208.1 2831.54,208.1 2830.2,207.16 2830.2,207.16 2828.91,206.15 2828.91,206.15 2827.67,205.09 2827.67,205.09 2826.48,203.96 2826.48,203.96 2825.35,202.78 2825.35,202.78 2824.28,201.54 2824.28,201.54 2823.27,200.26 2823.27,200.26 2822.32,198.92 2822.32,198.92 2821.44,197.54 2821.44,197.54 2820.63,196.12 2820.63,196.12 2819.89,194.66 2819.89,194.66 2819.22,193.17 2819.22,193.17 2818.63,191.64 2818.63,191.64 2818.11,190.09 2818.11,190.09 2817.67,188.52 2817.67,188.52 2817.3,186.92 2817.3,186.92 2817.02,185.31 2817.02,185.31 2816.81,183.69 2816.81,183.69 2816.68,182.06 2816.68,182.06 2816.63,180.45 2816.63,180.45 2816.6,180.45 2816.6,180.45 2816.6,-213.25 2816.6,-213.25 2883.53,-213.25 2883.53,-213.25 2883.53,180.45 2883.53,180.45 2883.48,182.09 2883.48,182.09 2883.35,183.72 2883.35,183.72 2883.14,185.34 2883.14,185.34 2882.86,186.95 2882.86,186.95 2882.49,188.55 2882.49,188.55 2882.05,190.12 2882.05,190.12 2881.52,191.67 2881.52,191.67 2880.93,193.2 2880.93,193.2 2880.26,194.69 2880.26,194.69 2879.52,196.15 2879.52,196.15 2878.7,197.57 2878.7,197.57 2877.82,198.95 2877.82,198.95 2876.88,200.28 2876.88,200.28 2875.86,201.57 2875.86,201.57 2874.79,202.8 2874.79,202.8 2873.66,203.98 2873.66,203.98 2872.47,205.11 2872.47,205.11 2871.23,206.17 2871.23,206.17 2869.94,207.18 2869.94,207.18 2868.6,208.11 2868.6,208.11 2867.21,208.99 2867.21,208.99 2865.79,209.79 2865.79,209.79 2864.32,210.52 2864.32,210.52 2862.83,211.18 2862.83,211.18 2861.3,211.77 2861.3,211.77 2859.74,212.28 2859.74,212.28 2858.17,212.72 2858.17,212.72 2856.57,213.07 2856.57,213.07 2854.96,213.35 2854.96,213.35 2853.33,213.55 2853.33,213.55
  Bottom Layer region: 2751.7,213.67 2750.07,213.71 2750.07,213.71 2748.43,213.67 2748.43,213.67 2746.8,213.55 2746.8,213.55 2745.18,213.35 2745.18,213.35 2743.57,213.06 2743.57,213.06 2741.97,212.71 2741.97,212.71 2740.39,212.27 2740.39,212.27 2738.84,211.76 2738.84,211.76 2737.31,211.17 2737.31,211.17 2735.81,210.51 2735.81,210.51 2734.35,209.78 2734.35,209.78 2732.93,208.97 2732.93,208.97 2731.54,208.1 2731.54,208.1 2730.2,207.16 2730.2,207.16 2728.91,206.15 2728.91,206.15 2727.67,205.09 2727.67,205.09 2726.48,203.96 2726.48,203.96 2725.35,202.78 2725.35,202.78 2724.28,201.54 2724.28,201.54 2723.27,200.26 2723.27,200.26 2722.32,198.92 2722.32,198.92 2721.44,197.54 2721.44,197.54 2720.63,196.12 2720.63,196.12 2719.89,194.66 2719.89,194.66 2719.23,193.17 2719.23,193.17 2718.63,191.64 2718.63,191.64 2718.11,190.09 2718.11,190.09 2717.67,188.52 2717.67,188.52 2717.3,186.92 2717.3,186.92 2717.02,185.31 2717.02,185.31 2716.81,183.69 2716.81,183.69 2716.68,182.06 2716.68,182.06 2716.63,180.45 2716.63,180.45 2716.61,180.45 2716.61,180.45 2716.61,-213.25 2716.61,-213.25 2783.53,-213.25 2783.53,-213.25 2783.53,180.45 2783.53,180.45 2783.49,182.09 2783.49,182.09 2783.36,183.72 2783.36,183.72 2783.15,185.34 2783.15,185.34 2782.86,186.95 2782.86,186.95 2782.49,188.55 2782.49,188.55 2782.05,190.12 2782.05,190.12 2781.53,191.67 2781.53,191.67 2780.93,193.2 2780.93,193.2 2780.26,194.69 2780.26,194.69 2779.52,196.15 2779.52,196.15 2778.71,197.57 2778.71,197.57 2777.83,198.95 2777.83,198.95 2776.88,200.28 2776.88,200.28 2775.87,201.57 2775.87,201.57 2774.79,202.8 2774.79,202.8 2773.66,203.98 2773.66,203.98 2772.47,205.11 2772.47,205.11 2771.23,206.17 2771.23,206.17 2769.94,207.18 2769.94,207.18 2768.6,208.11 2768.6,208.11 2767.21,208.99 2767.21,208.99 2765.79,209.79 2765.79,209.79 2764.33,210.52 2764.33,210.52 2762.83,211.18 2762.83,211.18 2761.3,211.77 2761.3,211.77 2759.75,212.28 2759.75,212.28 2758.17,212.72 2758.17,212.72 2756.57,213.07 2756.57,213.07 2754.96,213.35 2754.96,213.35 2753.34,213.55 2753.34,213.55
  Bottom Layer region: 2651.7,213.67 2650.07,213.71 2650.07,213.71 2648.43,213.67 2648.43,213.67 2646.8,213.55 2646.8,213.55 2645.18,213.35 2645.18,213.35 2643.56,213.06 2643.56,213.06 2641.97,212.71 2641.97,212.71 2640.39,212.27 2640.39,212.27 2638.84,211.76 2638.84,211.76 2637.31,211.17 2637.31,211.17 2635.81,210.51 2635.81,210.51 2634.35,209.78 2634.35,209.78 2632.93,208.97 2632.93,208.97 2631.54,208.1 2631.54,208.1 2630.2,207.16 2630.2,207.16 2628.91,206.15 2628.91,206.15 2627.67,205.09 2627.67,205.09 2626.48,203.96 2626.48,203.96 2625.35,202.78 2625.35,202.78 2624.28,201.54 2624.28,201.54 2623.27,200.26 2623.27,200.26 2622.32,198.92 2622.32,198.92 2621.44,197.54 2621.44,197.54 2620.63,196.12 2620.63,196.12 2619.89,194.66 2619.89,194.66 2619.22,193.17 2619.22,193.17 2618.63,191.64 2618.63,191.64 2618.11,190.09 2618.11,190.09 2617.67,188.52 2617.67,188.52 2617.3,186.92 2617.3,186.92 2617.02,185.31 2617.02,185.31 2616.81,183.69 2616.81,183.69 2616.68,182.06 2616.68,182.06 2616.63,180.45 2616.63,180.45 2616.61,180.45 2616.61,180.45 2616.61,-213.25 2616.61,-213.25 2683.53,-213.25 2683.53,-213.25 2683.53,180.45 2683.53,180.45 2683.48,182.09 2683.48,182.09 2683.35,183.72 2683.35,183.72 2683.15,185.34 2683.15,185.34 2682.86,186.95 2682.86,186.95 2682.49,188.55 2682.49,188.55 2682.05,190.12 2682.05,190.12 2681.52,191.67 2681.52,191.67 2680.93,193.2 2680.93,193.2 2680.26,194.69 2680.26,194.69 2679.52,196.15 2679.52,196.15 2678.7,197.57 2678.7,197.57 2677.82,198.95 2677.82,198.95 2676.88,200.28 2676.88,200.28 2675.86,201.57 2675.86,201.57 2674.79,202.8 2674.79,202.8 2673.66,203.98 2673.66,203.98 2672.47,205.11 2672.47,205.11 2671.23,206.17 2671.23,206.17 2669.94,207.18 2669.94,207.18 2668.6,208.11 2668.6,208.11 2667.21,208.99 2667.21,208.99 2665.79,209.79 2665.79,209.79 2664.32,210.52 2664.32,210.52 2662.83,211.18 2662.83,211.18 2661.3,211.77 2661.3,211.77 2659.74,212.28 2659.74,212.28 2658.17,212.72 2658.17,212.72 2656.57,213.07 2656.57,213.07 2654.96,213.35 2654.96,213.35 2653.33,213.55 2653.33,213.55
  Bottom Layer region: 2551.73,213.98 2550.1,214.02 2550.1,214.02 2548.46,213.98 2548.46,213.98 2546.83,213.86 2546.83,213.86 2545.21,213.66 2545.21,213.66 2543.59,213.38 2543.59,213.38 2542,213.02 2542,213.02 2540.42,212.59 2540.42,212.59 2538.87,212.07 2538.87,212.07 2537.34,211.48 2537.34,211.48 2535.84,210.82 2535.84,210.82 2534.38,210.09 2534.38,210.09 2532.96,209.28 2532.96,209.28 2531.57,208.41 2531.57,208.41 2530.23,207.47 2530.23,207.47 2528.94,206.47 2528.94,206.47 2527.7,205.4 2527.7,205.4 2526.51,204.27 2526.51,204.27 2525.38,203.09 2525.38,203.09 2524.31,201.86 2524.31,201.86 2523.3,200.57 2523.3,200.57 2522.36,199.23 2522.36,199.23 2521.48,197.86 2521.48,197.86 2520.66,196.43 2520.66,196.43 2519.92,194.98 2519.92,194.98 2519.26,193.48 2519.26,193.48 2518.66,191.96 2518.66,191.96 2518.14,190.4 2518.14,190.4 2517.7,188.83 2517.7,188.83 2517.33,187.23 2517.33,187.23 2517.05,185.62 2517.05,185.62 2516.84,184 2516.84,184 2516.71,182.37 2516.71,182.37 2516.66,180.77 2516.66,180.77 2516.63,180.77 2516.63,180.77 2516.63,-212.93 2516.63,-212.93 2583.56,-212.93 2583.56,-212.93 2583.56,180.77 2583.56,180.77 2583.51,182.4 2583.51,182.4 2583.39,184.03 2583.39,184.03 2583.18,185.66 2583.18,185.66 2582.89,187.27 2582.89,187.27 2582.52,188.86 2582.52,188.86 2582.07,190.44 2582.07,190.44 2581.56,191.99 2581.56,191.99 2580.96,193.51 2580.96,193.51 2580.29,195 2580.29,195 2579.55,196.46 2579.55,196.46 2578.74,197.88 2578.74,197.88 2577.86,199.26 2577.86,199.26 2576.91,200.6 2576.91,200.6 2575.9,201.88 2575.9,201.88 2574.82,203.12 2574.82,203.12 2573.69,204.3 2573.69,204.3 2572.5,205.42 2572.5,205.42 2571.26,206.49 2571.26,206.49 2569.97,207.49 2569.97,207.49 2568.63,208.43 2568.63,208.43 2567.24,209.3 2567.24,209.3 2565.82,210.1 2565.82,210.1 2564.35,210.84 2564.35,210.84 2562.86,211.5 2562.86,211.5 2561.33,212.08 2561.33,212.08 2559.78,212.59 2559.78,212.59 2558.2,213.03 2558.2,213.03 2556.6,213.39 2556.6,213.39 2554.99,213.66 2554.99,213.66 2553.36,213.86 2553.36,213.86
  Bottom Layer region: 2451.74,213.98 2450.1,214.02 2450.1,214.02 2448.46,213.98 2448.46,213.98 2446.83,213.86 2446.83,213.86 2445.21,213.66 2445.21,213.66 2443.6,213.38 2443.6,213.38 2442,213.02 2442,213.02 2440.42,212.59 2440.42,212.59 2438.87,212.07 2438.87,212.07 2437.34,211.48 2437.34,211.48 2435.85,210.82 2435.85,210.82 2434.38,210.09 2434.38,210.09 2432.96,209.28 2432.96,209.28 2431.57,208.41 2431.57,208.41 2430.24,207.47 2430.24,207.47 2428.94,206.47 2428.94,206.47 2427.7,205.4 2427.7,205.4 2426.52,204.27 2426.52,204.27 2425.38,203.09 2425.38,203.09 2424.31,201.86 2424.31,201.86 2423.3,200.57 2423.3,200.57 2422.36,199.23 2422.36,199.23 2421.48,197.86 2421.48,197.86 2420.67,196.43 2420.67,196.43 2419.93,194.98 2419.93,194.98 2419.26,193.48 2419.26,193.48 2418.66,191.96 2418.66,191.96 2418.14,190.4 2418.14,190.4 2417.7,188.83 2417.7,188.83 2417.34,187.23 2417.34,187.23 2417.05,185.62 2417.05,185.62 2416.84,184 2416.84,184 2416.71,182.37 2416.71,182.37 2416.66,180.77 2416.66,180.77 2416.64,180.77 2416.64,180.77 2416.64,-212.93 2416.64,-212.93 2483.57,-212.93 2483.57,-212.93 2483.57,180.77 2483.57,180.77 2483.52,182.4 2483.52,182.4 2483.39,184.03 2483.39,184.03 2483.18,185.66 2483.18,185.66 2482.89,187.27 2482.89,187.27 2482.52,188.86 2482.52,188.86 2482.08,190.44 2482.08,190.44 2481.56,191.99 2481.56,191.99 2480.96,193.51 2480.96,193.51 2480.29,195 2480.29,195 2479.55,196.46 2479.55,196.46 2478.74,197.88 2478.74,197.88 2477.86,199.26 2477.86,199.26 2476.91,200.6 2476.91,200.6 2475.9,201.88 2475.9,201.88 2474.82,203.12 2474.82,203.12 2473.69,204.3 2473.69,204.3 2472.51,205.42 2472.51,205.42 2471.26,206.49 2471.26,206.49 2469.97,207.49 2469.97,207.49 2468.63,208.43 2468.63,208.43 2467.24,209.3 2467.24,209.3 2465.82,210.1 2465.82,210.1 2464.36,210.84 2464.36,210.84 2462.86,211.5 2462.86,211.5 2461.33,212.08 2461.33,212.08 2459.78,212.59 2459.78,212.59 2458.2,213.03 2458.2,213.03 2456.6,213.39 2456.6,213.39 2454.99,213.66 2454.99,213.66 2453.37,213.86 2453.37,213.86
  Bottom Layer region: 2351.74,213.98 2350.1,214.02 2350.1,214.02 2348.47,213.98 2348.47,213.98 2346.83,213.86 2346.83,213.86 2345.21,213.66 2345.21,213.66 2343.6,213.38 2343.6,213.38 2342,213.02 2342,213.02 2340.42,212.59 2340.42,212.59 2338.87,212.07 2338.87,212.07 2337.34,211.48 2337.34,211.48 2335.85,210.82 2335.85,210.82 2334.39,210.09 2334.39,210.09 2332.96,209.28 2332.96,209.28 2331.58,208.41 2331.58,208.41 2330.24,207.47 2330.24,207.47 2328.94,206.47 2328.94,206.47 2327.7,205.4 2327.7,205.4 2326.52,204.27 2326.52,204.27 2325.39,203.09 2325.39,203.09 2324.31,201.86 2324.31,201.86 2323.31,200.57 2323.31,200.57 2322.36,199.23 2322.36,199.23 2321.48,197.86 2321.48,197.86 2320.67,196.43 2320.67,196.43 2319.93,194.98 2319.93,194.98 2319.26,193.48 2319.26,193.48 2318.66,191.96 2318.66,191.96 2318.15,190.4 2318.15,190.4 2317.7,188.83 2317.7,188.83 2317.34,187.23 2317.34,187.23 2317.05,185.62 2317.05,185.62 2316.84,184 2316.84,184 2316.72,182.37 2316.72,182.37 2316.67,180.77 2316.67,180.77 2316.64,180.77 2316.64,180.77 2316.64,-212.93 2316.64,-212.93 2383.57,-212.93 2383.57,-212.93 2383.57,180.77 2383.57,180.77 2383.52,182.4 2383.52,182.4 2383.39,184.03 2383.39,184.03 2383.18,185.66 2383.18,185.66 2382.89,187.27 2382.89,187.27 2382.52,188.86 2382.52,188.86 2382.08,190.44 2382.08,190.44 2381.56,191.99 2381.56,191.99 2380.96,193.51 2380.96,193.51 2380.29,195 2380.29,195 2379.55,196.46 2379.55,196.46 2378.74,197.88 2378.74,197.88 2377.86,199.26 2377.86,199.26 2376.91,200.6 2376.91,200.6 2375.9,201.88 2375.9,201.88 2374.83,203.12 2374.83,203.12 2373.69,204.3 2373.69,204.3 2372.51,205.42 2372.51,205.42 2371.27,206.49 2371.27,206.49 2369.97,207.49 2369.97,207.49 2368.63,208.43 2368.63,208.43 2367.25,209.3 2367.25,209.3 2365.82,210.1 2365.82,210.1 2364.36,210.84 2364.36,210.84 2362.86,211.5 2362.86,211.5 2361.33,212.08 2361.33,212.08 2359.78,212.59 2359.78,212.59 2358.2,213.03 2358.2,213.03 2356.61,213.39 2356.61,213.39 2354.99,213.66 2354.99,213.66 2353.37,213.86 2353.37,213.86
  Bottom Layer region: 2251.74,213.98 2250.1,214.02 2250.1,214.02 2248.46,213.98 2248.46,213.98 2246.83,213.86 2246.83,213.86 2245.21,213.66 2245.21,213.66 2243.6,213.38 2243.6,213.38 2242,213.02 2242,213.02 2240.42,212.59 2240.42,212.59 2238.87,212.07 2238.87,212.07 2237.34,211.48 2237.34,211.48 2235.85,210.82 2235.85,210.82 2234.38,210.09 2234.38,210.09 2232.96,209.28 2232.96,209.28 2231.57,208.41 2231.57,208.41 2230.24,207.47 2230.24,207.47 2228.94,206.47 2228.94,206.47 2227.7,205.4 2227.7,205.4 2226.52,204.27 2226.52,204.27 2225.38,203.09 2225.38,203.09 2224.31,201.86 2224.31,201.86 2223.3,200.57 2223.3,200.57 2222.36,199.23 2222.36,199.23 2221.48,197.86 2221.48,197.86 2220.67,196.43 2220.67,196.43 2219.93,194.98 2219.93,194.98 2219.26,193.48 2219.26,193.48 2218.66,191.96 2218.66,191.96 2218.14,190.4 2218.14,190.4 2217.7,188.83 2217.7,188.83 2217.34,187.23 2217.34,187.23 2217.05,185.62 2217.05,185.62 2216.84,184 2216.84,184 2216.71,182.37 2216.71,182.37 2216.66,180.77 2216.66,180.77 2216.64,180.77 2216.64,180.77 2216.64,-212.93 2216.64,-212.93 2283.57,-212.93 2283.57,-212.93 2283.57,180.77 2283.57,180.77 2283.52,182.4 2283.52,182.4 2283.39,184.03 2283.39,184.03 2283.18,185.66 2283.18,185.66 2282.89,187.27 2282.89,187.27 2282.52,188.86 2282.52,188.86 2282.08,190.44 2282.08,190.44 2281.56,191.99 2281.56,191.99 2280.96,193.51 2280.96,193.51 2280.29,195 2280.29,195 2279.55,196.46 2279.55,196.46 2278.74,197.88 2278.74,197.88 2277.86,199.26 2277.86,199.26 2276.91,200.6 2276.91,200.6 2275.9,201.88 2275.9,201.88 2274.82,203.12 2274.82,203.12 2273.69,204.3 2273.69,204.3 2272.51,205.42 2272.51,205.42 2271.26,206.49 2271.26,206.49 2269.97,207.49 2269.97,207.49 2268.63,208.43 2268.63,208.43 2267.24,209.3 2267.24,209.3 2265.82,210.1 2265.82,210.1 2264.36,210.84 2264.36,210.84 2262.86,211.5 2262.86,211.5 2261.33,212.08 2261.33,212.08 2259.78,212.59 2259.78,212.59 2258.2,213.03 2258.2,213.03 2256.6,213.39 2256.6,213.39 2254.99,213.66 2254.99,213.66 2253.37,213.86 2253.37,213.86